# Altium PCB maisuijiqiren.PcbDoc
Units mm, origin at the board's own origin, x right, y up, seen from the top; angles counter-clockwise.
Board outline 188 x 150 mm, 2 copper layers (Top Layer, Bottom Layer); 86 components, 99 nets, 370 pads, 49 vias.
Unrouted connection lines stored in the file: 3.
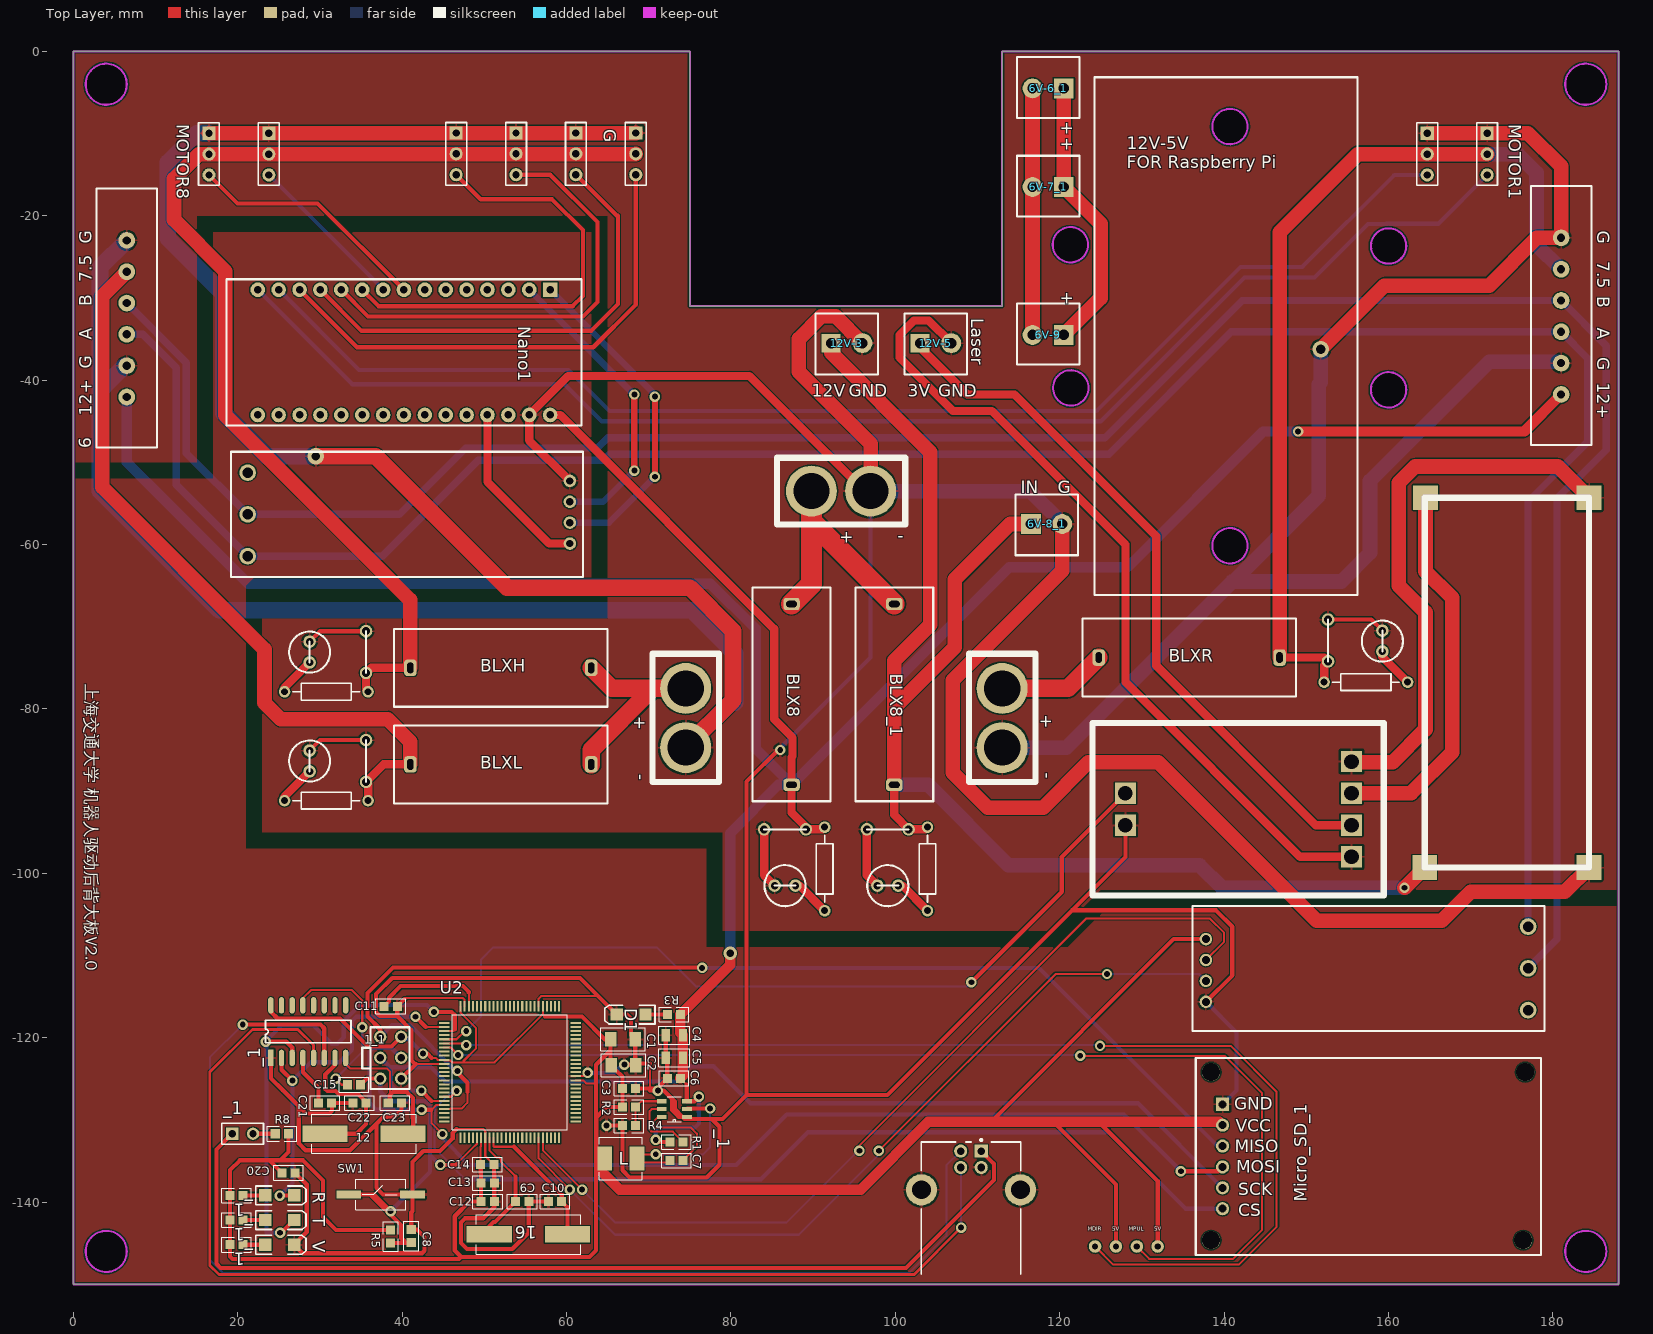
[diagram p0: Top Layer view]
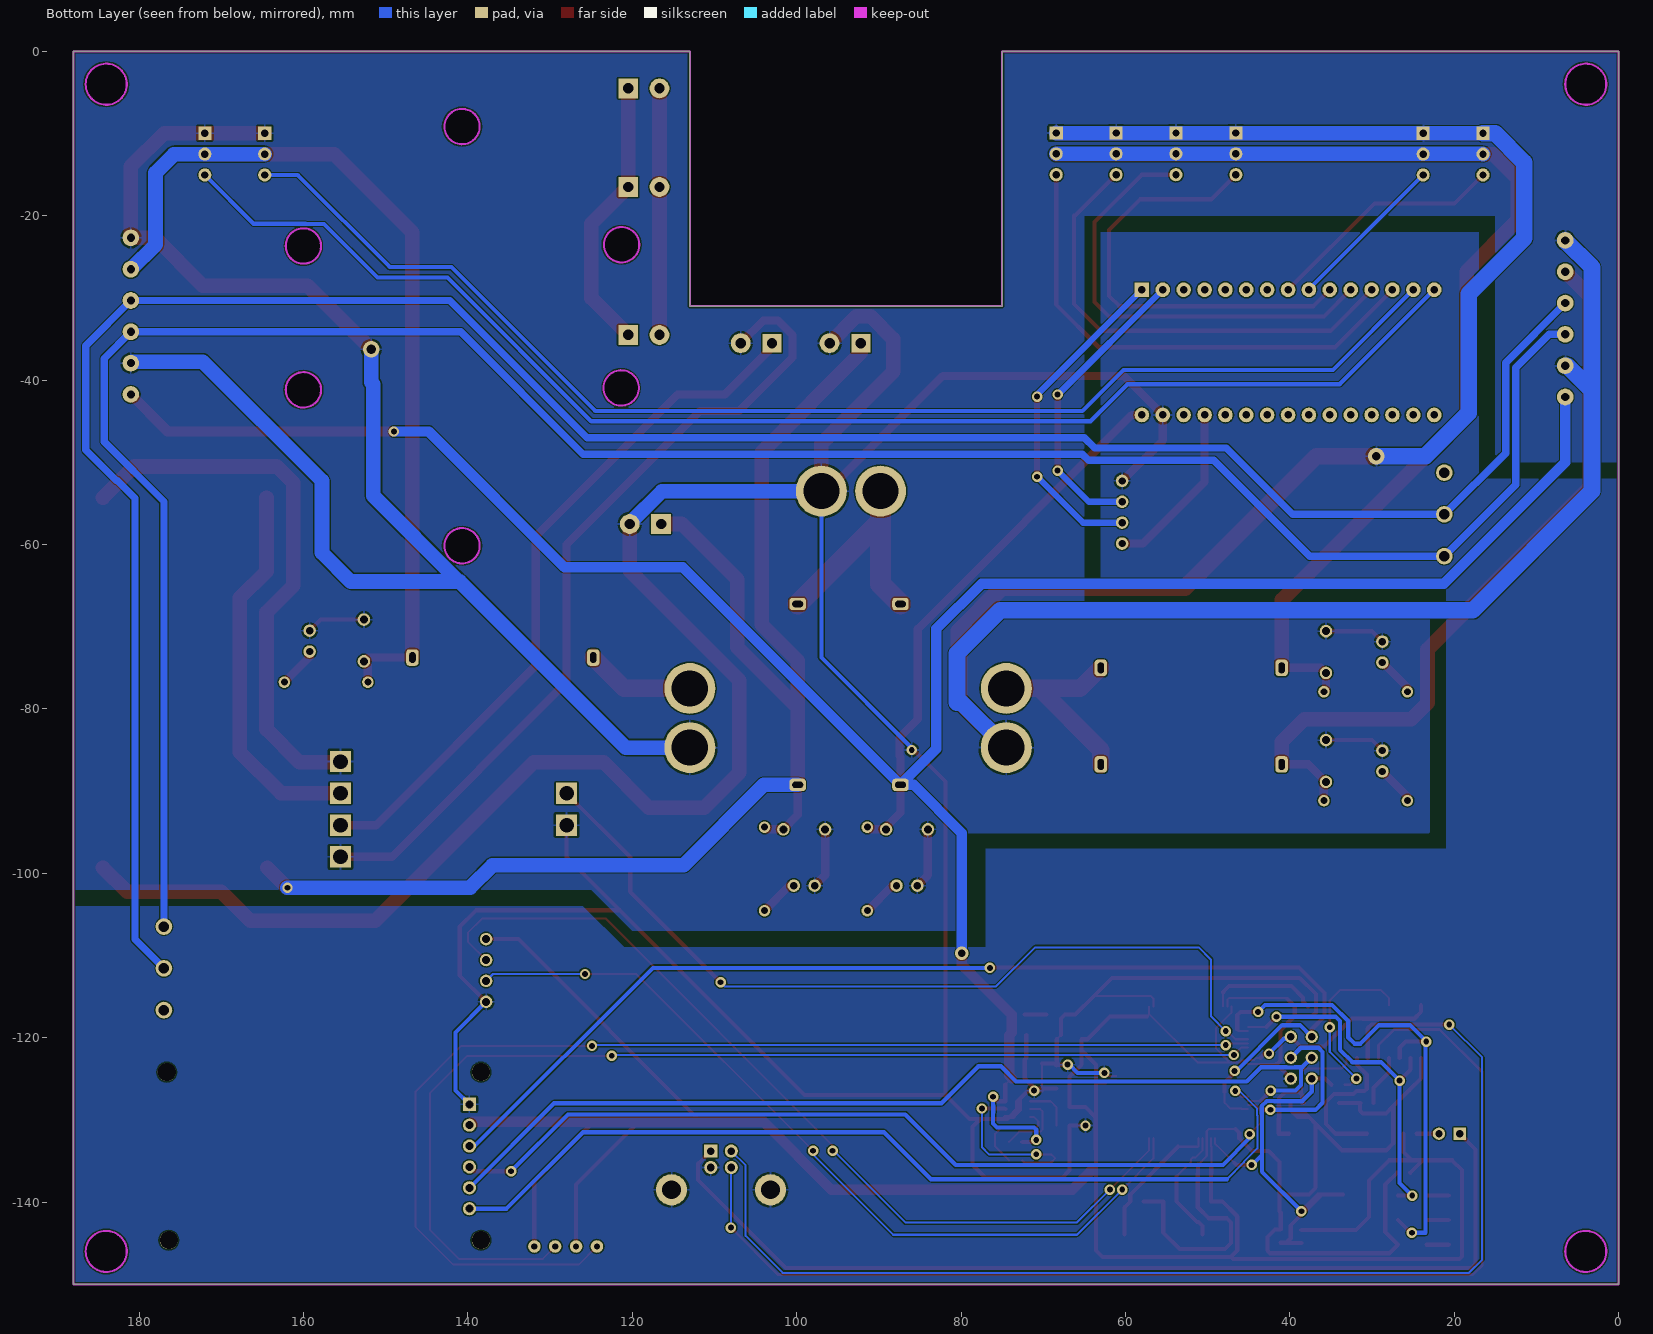
[diagram p1: Bottom Layer view, seen from below]

## Layer stack, top to bottom
Top Solder: solder mask 0.0102, Solder Resist, Dk 3.5
Top Layer: signal copper 0.0356
Dielectric 1: dielectric 0.32, FR-4, Dk 4.8
Bottom Layer: signal copper 0.0356
Bottom Solder: solder mask 0.0102, Solder Resist, Dk 3.5

## Board outline
0,-150 0,0 75,0 75,-31 113,-31 113,0 188,0 188,-140 188,-150
cut-out: 181.5,-4 ccw(c184,-4) 184,-6.5 ccw(c184,-4) 186.5,-4 ccw(c184,-4) 184,-1.5 ccw(c184,-4)
cut-out: 4,-6.5 cw(c4,-4) 1.5,-4 cw(c4,-4) 4,-1.5 cw(c4,-4) 6.5,-4 cw(c4,-4)
cut-out: 1.5,-146 ccw(c4,-146) 4,-148.5 ccw(c4,-146) 6.5,-146 ccw(c4,-146) 4,-143.5 ccw(c4,-146)
cut-out: 181.5,-146 ccw(c184,-146) 184,-148.5 ccw(c184,-146) 186.5,-146 ccw(c184,-146) 184,-143.5 ccw(c184,-146)
cut-out: 140.712,-62.3 ccw(c140.712,-60.15) 142.862,-60.15 ccw(c140.712,-60.15) 140.712,-58 ccw(c140.712,-60.15) 138.562,-60.15 ccw(c140.712,-60.15)
cut-out: 140.712,-11.3 ccw(c140.712,-9.15) 142.862,-9.15 ccw(c140.712,-9.15) 140.712,-7 ccw(c140.712,-9.15) 138.562,-9.15 ccw(c140.712,-9.15)
cut-out: 160.014,-25.827 ccw(c160.014,-23.677) 162.164,-23.677 ccw(c160.014,-23.677) 160.014,-21.527 ccw(c160.014,-23.677) 157.864,-23.677 ccw(c160.014,-23.677)
cut-out: 160.014,-43.327 ccw(c160.014,-41.177) 162.164,-41.177 ccw(c160.014,-41.177) 160.014,-39.027 ccw(c160.014,-41.177) 157.864,-41.177 ccw(c160.014,-41.177)
cut-out: 121.352,-43.096 ccw(c121.352,-40.946) 123.502,-40.946 ccw(c121.352,-40.946) 121.352,-38.796 ccw(c121.352,-40.946) 119.202,-40.946 ccw(c121.352,-40.946)
cut-out: 121.302,-25.677 ccw(c121.302,-23.527) 123.452,-23.527 ccw(c121.302,-23.527) 121.302,-21.377 ccw(c121.302,-23.527) 119.152,-23.527 ccw(c121.302,-23.527)

## Design rules (kind name [scope] priority, off if disabled: settings)
Clearance [All] p1: gap=0.152 ignorepadtopadclearanceinfootprint=FALSE
HoleSize [All] p1 off: absolutevalues=TRUE maxlimit=3.81 minlimit=0.025 maxpercent=80.000 minpercent=20.000
MinimumSolderMaskSliver [All] p1 off: minsoldermaskwidth=0.254
PolygonConnect [All] p1: connectstyle=Relief reliefconductorwidth=0.254 reliefentries=4 polygonreliefangle="90 Angle" airgapwidth=0.254
RoutingVias [All] p1: holewidth=0.711 width=1.27 viastyle="Through Hole" minholewidth=0.711 minwidth=1.27 maxholewidth=0.711 maxwidth=1.27
SilkToSilkClearance [All] p1 off: silktosilkclearance=0.254
SilkToSolderMaskClearance [IsPad] p1 off: minsilkscreentomaskgap=0.254 clearancetoexposedcopper=TRUE
SolderMaskExpansion [All] p1: expansion=0.102
Width [All] p1: maxlimit=3.81 minlimit=0.2 preferedwidth=0.508
26 further rules are at their usual default settings.

## Components (designator, comment, footprint, x,y, rotation, side; value= is the part's Value field where it differs from the comment)
1_1 "Header_2*3" "header 2*3" 38.61,-122.435 r270 top (schematic designator J2)
6 "Comment" "3.81 6p" 6.5,-43.108 r90 top
6V-6_1 "Comment" "HEADER 1X2a"#1 120.5,-4.5 r180 top
6V-7_1 "Comment" "HEADER 1X2a"#1 120.5,-16.5 r180 top
6V-8_1 "Comment" "HEADER 1X2a"#1 116.5,-57.5 r0 top
6V-9 "Comment" "HEADER 1X2a"#1 120.5,-34.5 r180 top
12 "16M" HC-49SMD 35.36,-131.685 r180 top (schematic designator Y1)
12V-3 "Comment" "HEADER 1X2a"#2 92.19,-35.5 r0 top
12V-5 "Comment" "HEADER 1X2a"#2 103,-35.5 r0 top
16 "16M" HC-49SMD 55.36,-143.935 r0 top (schematic designator Y1)
"-        +" "Comment" xt60 97,-53.5 r180 top
"-        +" "Comment" xt60 74.5,-84.7 r90 top
"-        +" "Comment" xt60 113,-84.7 r90 top
_1 "Comment" PCBComponent_1 23.9,-122.475 r90 top
_1 "TPS562209" SOT-6 73.11,-128.685 r180 top (schematic designator U1)
_1 "Res2" R0603 19.86,-139.185 r0 top (schematic designator R12)
_1 "Res2" R0603 19.86,-142.185 r0 top (schematic designator R11)
_1 "Res2" R0603 19.86,-145.185 r0 top (schematic designator R10)
_1 "" HDR1X2 19.32,-131.685 r0 top (schematic designator PIN)
BLX8 "Comment" BLX-A 87.375,-67.237 r270 top
BLX8_1 "Comment" BLX-A 99.875,-67.237 r270 top
BLXH "Comment" BLX-A 41,-75 r0 top
BLXL "Comment" BLX-A 41,-86.75 r0 top
BLXR "Comment" BLX-A 124.75,-73.75 r0 top
C1 "22uF/50V" c1206 66.86,-120.185 r0 top
C2 "22uF/50V" c1206 66.923,-123.352 r0 top
C3 "0.1uF/50V" c0603 67.61,-126.185 r0 top
C4 "10uF/16V" c0805 73.11,-119.685 r180 top
C5 "10uF/16V" c0805 73.11,-122.435 r180 top
C6 "0.1uF/50V" c0603 73.06,-124.935 r180 top
C7 "100nF/50V" c0603 73.36,-134.935 r180 top
C8 "22pF/50V" c0603 41.11,-144.135 r270 top
C9 "22pF/50V" c0603 54.61,-139.935 r180 top
C10 "22pF/50V" c0603 58.61,-139.935 r0 top
C11 "0.1uF/50V" c0603 38.61,-116.185 r180 top
C12 "0.1uF/50V" c0603 50.41,-139.935 r0 top
C13 "0.1uF/50V" c0603 50.41,-137.685 r0 top
C14 "0.1uF/50V" c0603 50.36,-135.435 r0 top
C15 "0.1uF/50V" c0603 34.15,-125.725 r0 top (schematic designator C14)
C20 "Cap" c0603 26.16,-136.435 r180 top
C21 "Cap" c0603 30.61,-127.935 r180 top
C22 "Cap" c0603 34.81,-127.935 r180 top
C23 "Cap" c0603 39.11,-127.935 r0 top
D1 "RED_LED" 3.2X1.6X1.1 67.86,-117.185 r180 top
L "4.7uH" L5X5X2 66.61,-134.685 r180 top (schematic designator L1)
Micro_SD_1 "Comment" Micro_SD 202.55,-188.45 r0 top
MOTOR1 "Comment" HDR1X3 172,-9.96 r270 top
MOTOR8 "Comment" HDR1X3 16.5,-9.96 r270 top
Nano1 "Comment" NANO 58,-29 r270 top
R "LED" 3.2X1.6X1.1 25.11,-145.185 r0 top (schematic designator D3)
R1 "10K" R0603 73.36,-132.685 r180 top
R2 "56.2K/1%" R0603 67.61,-128.435 r0 top
R3 "2.5k" R0603 73.06,-117.185 r180 top
R4 "10K/1%" R0603 67.61,-130.685 r180 top
R5 "10K" R0603 38.61,-144.185 r90 top
R8 "Res2" R0603 25.36,-131.685 r0 top
SW1 "SW" sw2-0306 37.394,-139.074 r0 top
T "LED" 3.2X1.6X1.1 25.11,-142.185 r0 top (schematic designator D4)
U2 "ATMEGA2560-16AU" TQFP-100 53.11,-124.185 r0 top
V "LED" 3.2X1.6X1.1 25.11,-139.185 r0 top (schematic designator D5)
? "Comment" AXIAL-0.4 103.91,-99.471 r270 top
? "Comment" C_50V_10u 101.624,-94.645 r180 top
? "Comment" LED_BLUE 99.084,-101.503 r180 top
? "Comment" ttl-485#1 62,-63.929 r180 top
? "Comment" HDR1X3 23.786,-9.96 r270 top
? "Comment" HDR1X3 46.571,-9.929 r270 top
? "Comment" HDR1X3 53.857,-9.929 r270 top
? "Comment" HDR1X3 61.143,-9.929 r270 top
? "Comment" HDR1X3 68.429,-9.929 r270 top
? "Comment" HDR1X3 164.714,-9.96 r270 top
? "Comment" LED_BLUE 86.584,-101.503 r180 top
? "Comment" C_50V_10u 89.124,-94.645 r180 top
? "Comment" AXIAL-0.4 91.41,-99.471 r270 top
? "Comment" AXIAL-0.4 30.779,-77.91 r180 top
? "Comment" C_50V_10u 35.605,-75.624 r90 top
? "Comment" LED_BLUE 28.747,-73.084 r90 top
? "Comment" AXIAL-0.4 30.779,-91.16 r180 top
? "Comment" C_50V_10u 35.605,-88.874 r90 top
? "Comment" LED_BLUE 28.747,-86.334 r90 top
? "Comment" "3.81 6p" 181,-42.798 r90 bottom
? "Comment" 1-1470156 109.2,-148.8 r270 top
? "Comment" "5V REGULATOR" 124.212,-66.15 r0 top
? "Comment" ttl-485#2 136.18,-103.96 r0 top
? "Comment" LED_BLUE 159.25,-71.75 r270 top
? "Comment" C_50V_10u 152.645,-69.126 r270 top
? "Comment" AXIAL-0.4 157.25,-76.75 r0 top

## Footprints (in the part's own frame and the unit in brackets; to place one, negate y for a bottom-side part, rotate by r counter-clockwise, add the part's x,y. Pads: shape width x height; smd on the part's side, far side on the other; paste and mask are expansions set on the pad)
1-1470156 [mm] "Connector; USB1.1, Type B, Thru-Hole; 4 Position; Right Angle"
  rect 1.6x1.6 hole 0.92: 1(-15.01,1.25)
  round 1.6 hole 0.92: 2(-15.01,-1.25) 3(-13.01,-1.25) 4(-13.01,1.25)
  round 3.8 hole 2.3: 5(-10.3,6.02) 6(-10.3,-6.02)
  silkscreen extent -16.48,-6.05 -0.02,6.05
3.2X1.6X1.1 [mm] "SMT LED; 2 Flat Leads"
  rect 1.5x1.5 smd: 1(-1.75,0) 2(1.75,0)
  silkscreen extent -2.9,-1.15 3.2,1.15
"3.81 6p" [mil]
  round 80 hole 39.37: 1(41.65,0) 2(191.65,0) 3(341.65,0) 4(491.65,0) 5(641.65,0) 6(791.65,0)
  silkscreen extent -200,-145 1040,145
"5V REGULATOR" [mm]
  silkscreen extent 0,0 32,63
AXIAL-0.4 [mm] "Axial Device, Thru-Hole; 2 Leads; 0.4 in Pin Spacing"
  round 1.4 hole 0.85: 1(-5.08,0) 2(5.08,0)
  silkscreen extent -4.06,-1.02 4.06,1.02
BLX-A [mm]
  rrect50% 1.5x2 hole 0.762 slot 1.3 at 90 deg: 1(0,0) 2(22,0)
  silkscreen extent -2,-4.74 24,4.74
c0603 [mm] "C0603"
  rect 1.1x1.1 smd: 1(-0.8,0) 2(0.8,0)
  silkscreen extent -1.8,-0.9 1.8,0.9
c0805 [mm] "C0805"
  rect 1x1.5 smd: 1(-1.05,0) 2(1.05,0)
  silkscreen extent -1.9,-1.1 1.9,1.1
c1206 [mm] "C1206"
  rect 1.4x1.8 smd: 1(-1.5,0) 2(1.5,0)
  silkscreen extent -2.7,-1.4 2.7,1.4
C_50V_10u [mil]
  round 60 hole 38: 1(0,0) 2(200,0)
  silkscreen extent 0,0 200,0
HC-49SMD [mm] "HC-49SMD"
  rect 5.5x2 smd: 1(-4.75,0) 2(4.75,0)
  silkscreen extent -6.35,-2.4 6.35,2.4
HDR1X2 [mm] "Connector; Header; 2 Position"
  rect 1.5x1.5 hole 0.9: 1(0,0)
  round 1.5 hole 0.9: 2(2.54,0)
  silkscreen extent -1.27,-1.27 3.81,1.27
HDR1X3 [mm] "Connector; Header; 3 Position"
  rect 1.6x1.6 hole 0.9: 1(0,0)
  round 1.6 hole 0.9: 2(2.54,0) 3(5.08,0)
  silkscreen extent -1.27,-1.27 6.35,1.27
"HEADER 1X2a"#1 [mil]
  rect 95x95 hole 50 paste+0: 1(0,0)
  round 95 hole 50: 2(150,0)
  silkscreen extent -75,-150 225,142
"HEADER 1X2a"#2 [mil]
  rect 90x90 hole 50: 1(0,0)
  round 95 hole 50: 2(150,0)
  silkscreen extent -75,-150 225,142
"header 2*3" [mm]
  round 1.5 hole 0.9: 1(-2.54,-1.27) 2(0,-1.27) 3(2.54,-1.27) 4(2.54,1.27) 5(0,1.27) 6(-2.54,1.27)
L5X5X2 [mm] "L5X5X2"
  rect 1.8x2.9 smd: 1(-1.95,0) 2(1.95,0)
  silkscreen extent -2.6,-2.6 2.6,2.6
LED_BLUE [mil]
  round 60 hole 35: 1(-50,0) 2(50,0)
  silkscreen extent -98,-98 98,98
Micro_SD [mm]
  round 1.6 hole 0.965: 1(-62.738,47.65) 2(-62.738,50.19) 3(-62.738,52.73) 4(-62.738,55.27) 5(-62.738,57.81)
  round 2.2 hole 2.2: 6(-64.135,43.815) 6(-64.135,64.262) 6(-26.162,43.815) 6(-25.908,64.262)
  rect 1.6x1.6 hole 0.965: 6(-62.738,60.35)
  silkscreen extent -66,42 -24,66
NANO [mil]
  rect 70x70 hole 36: 1(0,0)
  round 70 hole 36: 2(0,-100) 3(0,-200) 4(0,-300) 5(0,-400) 6(0,-500) 7(0,-600) 8(0,-700) 9(0,-800) 10(0,-900) 11(0,-1000) 12(0,-1100) 13(0,-1200) 14(0,-1300) 15(0,-1400) 16(600,-1400) 17(600,-1300) 18(600,-1200) 19(600,-1100) 20(600,-1000) 21(600,-900) 22(600,-800) 23(600,-700) 24(600,-600) 25(600,-500) 26(600,-400) 27(600,-300) 28(600,-200) 29(600,-100) 30(600,0)
  silkscreen extent -50,-1550 650,150
PCBComponent_1 [mm]
  rect 2x0.65 smd: 1(0.018,-0.126)
  oval 2x0.65 smd: 2(0.018,-1.426) 3(0.018,-2.726) 4(0.018,-4.026) 5(0.018,-5.326) 6(0.018,-6.626) 7(0.018,-7.926) 8(0.018,-9.226) 9(6.418,-9.226) 10(6.418,-7.926) 11(6.418,-6.626) 12(6.418,-5.326) 13(6.418,-4.026) 14(6.418,-2.726) 15(6.418,-1.426) 16(6.418,-0.126)
  silkscreen extent 1.85,-9.88 4.58,0.52
R0603 [mm] "R0603"
  rect 1.1x1.1 smd: 1(-0.8,0) 2(0.8,0)
  silkscreen extent -1.8,-0.9 1.8,0.9
SOT-6 [mm] "SOT-6"
  rect 1.2x0.5 smd: 1(-1.525,0.95) 2(-1.525,0) 3(-1.525,-0.95) 4(1.525,-0.95) 5(1.525,0) 6(1.525,0.95)
  silkscreen extent -1.6,-1.52 0.87,1.85
sw2-0306 [mm] "SW2-0306"
  rect 3x1 smd: 1(-3.875,0) 2(3.875,0)
  silkscreen extent -3.05,-1.85 3.05,1.85
TQFP-100 [mm] "TQFP-100"
  rect 1.3x0.25 smd: 1(-8,6) 2(-8,5.5) 3(-8,5) 4(-8,4.5) 5(-8,4) 6(-8,3.5) 7(-8,3) 8(-8,2.5) 9(-8,2) 10(-8,1.5) 11(-8,1) 12(-8,0.5) 13(-8,0) 14(-8,-0.5) 15(-8,-1) 16(-8,-1.5) 17(-8,-2) 18(-8,-2.5) 19(-8,-3) 20(-8,-3.5) 21(-8,-4) 22(-8,-4.5) 23(-8,-5) 24(-8,-5.5) 25(-8,-6) 51(8,-6) 52(8,-5.5) 53(8,-5) 54(8,-4.5) 55(8,-4) 56(8,-3.5) 57(8,-3) 58(8,-2.5) 59(8,-2) 60(8,-1.5) 61(8,-1) 62(8,-0.5) 63(8,0) 64(8,0.5) 65(8,1) 66(8,1.5) 67(8,2) 68(8,2.5) 69(8,3) 70(8,3.5) 71(8,4) 72(8,4.5) 73(8,5) 74(8,5.5) 75(8,6)
  rect 0.25x1.3 smd: 26(-6,-8) 27(-5.5,-8) 28(-5,-8) 29(-4.5,-8) 30(-4,-8) 31(-3.5,-8) 32(-3,-8) 33(-2.5,-8) 34(-2,-8) 35(-1.5,-8) 36(-1,-8) 37(-0.5,-8) 38(0,-8) 39(0.5,-8) 40(1,-8) 41(1.5,-8) 42(2,-8) 43(2.5,-8) 44(3,-8) 45(3.5,-8) 46(4,-8) 47(4.5,-8) 48(5,-8) 49(5.5,-8) 50(6,-8) 76(6,8) 77(5.5,8) 78(5,8) 79(4.5,8) 80(4,8) 81(3.5,8) 82(3,8) 83(2.5,8) 84(2,8) 85(1.5,8) 86(1,8) 87(0.5,8) 88(0,8) 89(-0.5,8) 90(-1,8) 91(-1.5,8) 92(-2,8) 93(-2.5,8) 94(-3,8) 95(-3.5,8) 96(-4,8) 97(-4.5,8) 98(-5,8) 99(-5.5,8) 100(-6,8)
  silkscreen extent -7,-7 7,7
ttl-485#1 [mil]
  round 80 hole 50: 1(1606.3,-99.21) 2(1606.3,-299.21) 3(1606.3,-499.21)
  round 60 hole 35: 4(62.99,-159.45) 5(62.99,-259.45) 6(62.99,-359.45) 7(62.99,-459.45)
  silkscreen extent 0,-599 1685,0
ttl-485#2 [mil]
  round 80 hole 50: 1(1606.3,-99.21) 2(1606.3,-299.21) 3(1606.3,-499.21)
  round 60 hole 38: 4(62.99,-159.45) 5(62.99,-259.45) 6(62.99,-359.45) 7(62.99,-459.45)
  silkscreen extent 0,-599 1685,0
xt60 [mm]
  round 6.2 hole 4.4: 1(0,0) 2(7.2,0)
  silkscreen extent -4.2,-4.05 11.4,4.05

## Part data
12 16: library part XTAL2P, "XTAL,25MHz,±20ppm,20pF,11.4*4.7,-20 to 70℃,SM49B20P25M000U0F,KUIXI"
_1 _1 _1 R8: "Resistor"
_1: library part "Header 2", "Header, 2-Pin"
C1 C2 C3 C4 C5 C6 C7 C8 C9 C10 C11 C12 C13 C14 C15: library part C
C20 C21 C22 C23: "Capacitor"
D1: library part LED_0
L: library part L
R T V: library part LED0, "Typical INFRARED GaAs LED"
R1 R2 R3 R4 R5: library part R
SW1: library part "SW SPST"

## Free pads (board coordinates)
  rect 3x3 smd: 11(164.4,-99.3) 11(164.5,-54.3) 11(184.4,-99.3) 11(184.4,-54.3)
  rect 2.6x2.6 hole 1.77: 13(128,-94.133) 13(128,-90.267) 13(155.5,-98) 13(155.5,-94.133) 13(155.5,-90.267) 13(155.5,-86.4)
  round 1.524 hole 0.762: 14(124.3,-145.4) 14(126.84,-145.4) 14(129.38,-145.4) 14(131.92,-145.4)

## Via types
v1: diameter 1.27, hole 0.711, Top Layer to Bottom Layer, 46 vias
v2: diameter 2.032, hole 1.143, Top Layer to Bottom Layer, 1 vias
v3: diameter 2.032, hole 1.016, Top Layer to Bottom Layer, 1 vias
v4: diameter 1.651, hole 0.889, Top Layer to Bottom Layer, 1 vias

## Nets (pads, with @x,y where several pads share a name; then routed paths per layer and width w, separated by ;. In a path a pad name is that pad's centre, name@x,y a point inside that pad or via, vN(x,y) a via of type N, cw(c..) or ccw(c..) an arc to the next point about the centre after c; other vN are vias at no path point)
3V3: pad.11@164.5,-54.3 pad.13@155.5,-90.267 | length 46.6
  Top Layer w1.778: pad.13@155.5,-90.267 162.733,-90.267 167.75,-85.25 167.75,-66.5 164.5,-63.25 pad.11@164.5,-54.3
6IN: 
6ING: 
7.5VL: "-        +.2"@74.5,-77.5 BLXH.2 BLXL.2 | length 24.9
  Top Layer w2.159: BLXL.2 63,-85 70.5,-77.5 ; BLXH.2 65.5,-77.5 70.5,-77.5 ; 74.5,-77.5 70.5,-77.5
7.5VLO: ?.1@35.605,-75.624 ?.1@35.859,-77.91 ?.2@23.786,-12.5 ?.2@46.571,-12.469 ?.2@53.857,-12.469 ?.2@61.143,-12.469 ?.2@68.429,-12.469 BLXH.1 MOTOR8.2 | length 188.8
  Top Layer w1.016: ?.1@35.859,-77.91 35.605,-77.656 35.605,-75.624 36.229,-75 BLXH.1
  Top Layer w1.778: BLXH.1 41,-66.75 18.5,-44.25 18.5,-26.75 12.25,-20.5 12.25,-15.5 15.25,-12.5 MOTOR8.2 23.786,-12.5 68.398,-12.5 ?.2@68.429,-12.469
  Bottom Layer w1.778: MOTOR8.2 16.531,-12.469 46.571,-12.469 53.857,-12.469 61.143,-12.469 ?.2@68.429,-12.469
7.5VLO2: 6.5 ?.1@35.605,-88.874 ?.1@35.859,-91.16 BLXL.1 | length 93
  Top Layer w1.016: ?.1@35.859,-91.16 35.859,-89.128 35.605,-88.874 37.729,-86.75 BLXL.1
  Top Layer w1.778: 6.5 3.5,-29.81 3.5,-53 23.25,-72.75 23.25,-79.25 25.25,-81.25 38.25,-81.25 41,-84 BLXL.1
7.5VR: "-        +.2"@113,-77.5 BLXR.1 | length 13.3
  Top Layer w2.159: 113,-77.5 121,-77.5 BLXR.1
7.5VRO: ?.1@152.17,-76.75 ?.2@152.645,-74.206 ?.2@164.714,-12.5 ?.5@181,-26.5 BLXR.2 MOTOR1.2 | length 117
  Top Layer w1.016: BLXR.2 152.189,-73.75 152.645,-74.206 152.17,-74.681 ?.1@152.17,-76.75
  Top Layer w1.778: BLXR.2 146.75,-22 156.25,-12.5 164.714,-12.5 MOTOR1.2
  Bottom Layer w1.778: ?.2@164.714,-12.5 MOTOR1.2 175.75,-12.5 178,-14.75 178,-23.5 ?.5@181,-26.5
7.5VRO2: 
12IN: 
12ING: 
50: 
51: 
52: 
53: 
+5V: 
CLK: 1_1.2 Micro_SD_1.2 U2.20 | length 119.8
  Top Layer w0.25: 43.589,-127.685 U2.20
  Top Layer w0.508: v1(42.338,-126.434) 43.589,-127.685
  Bottom Layer w0.508: 1_1.2 38.503,-123.597 ; v1(42.338,-126.434) 39.315,-126.434 38.65,-125.768 38.65,-123.597 39.371,-123.597 39.391,-123.617 40.37,-123.617 40.389,-123.597 43.522,-123.597 45.241,-125.316 73.309,-125.316 75.15,-123.475 77.9,-123.475 82.4,-127.975 129.527,-127.975 Micro_SD_1.2
CTS: _1.9
D+: ?.3@107.95,-135.79 _1.5@29.226,-122.457 | length 142.2
  Top Layer w0.35: _1.5@29.226,-122.457 29.226,-120.899 27.311,-118.984 21.8,-118.984 16.6,-124.184 16.6,-147.7 17.7,-148.8 102.3,-148.8 v1(108,-143.1)